# Altium PCB SPG_300.PcbDoc (part 2 of 7) (continued)
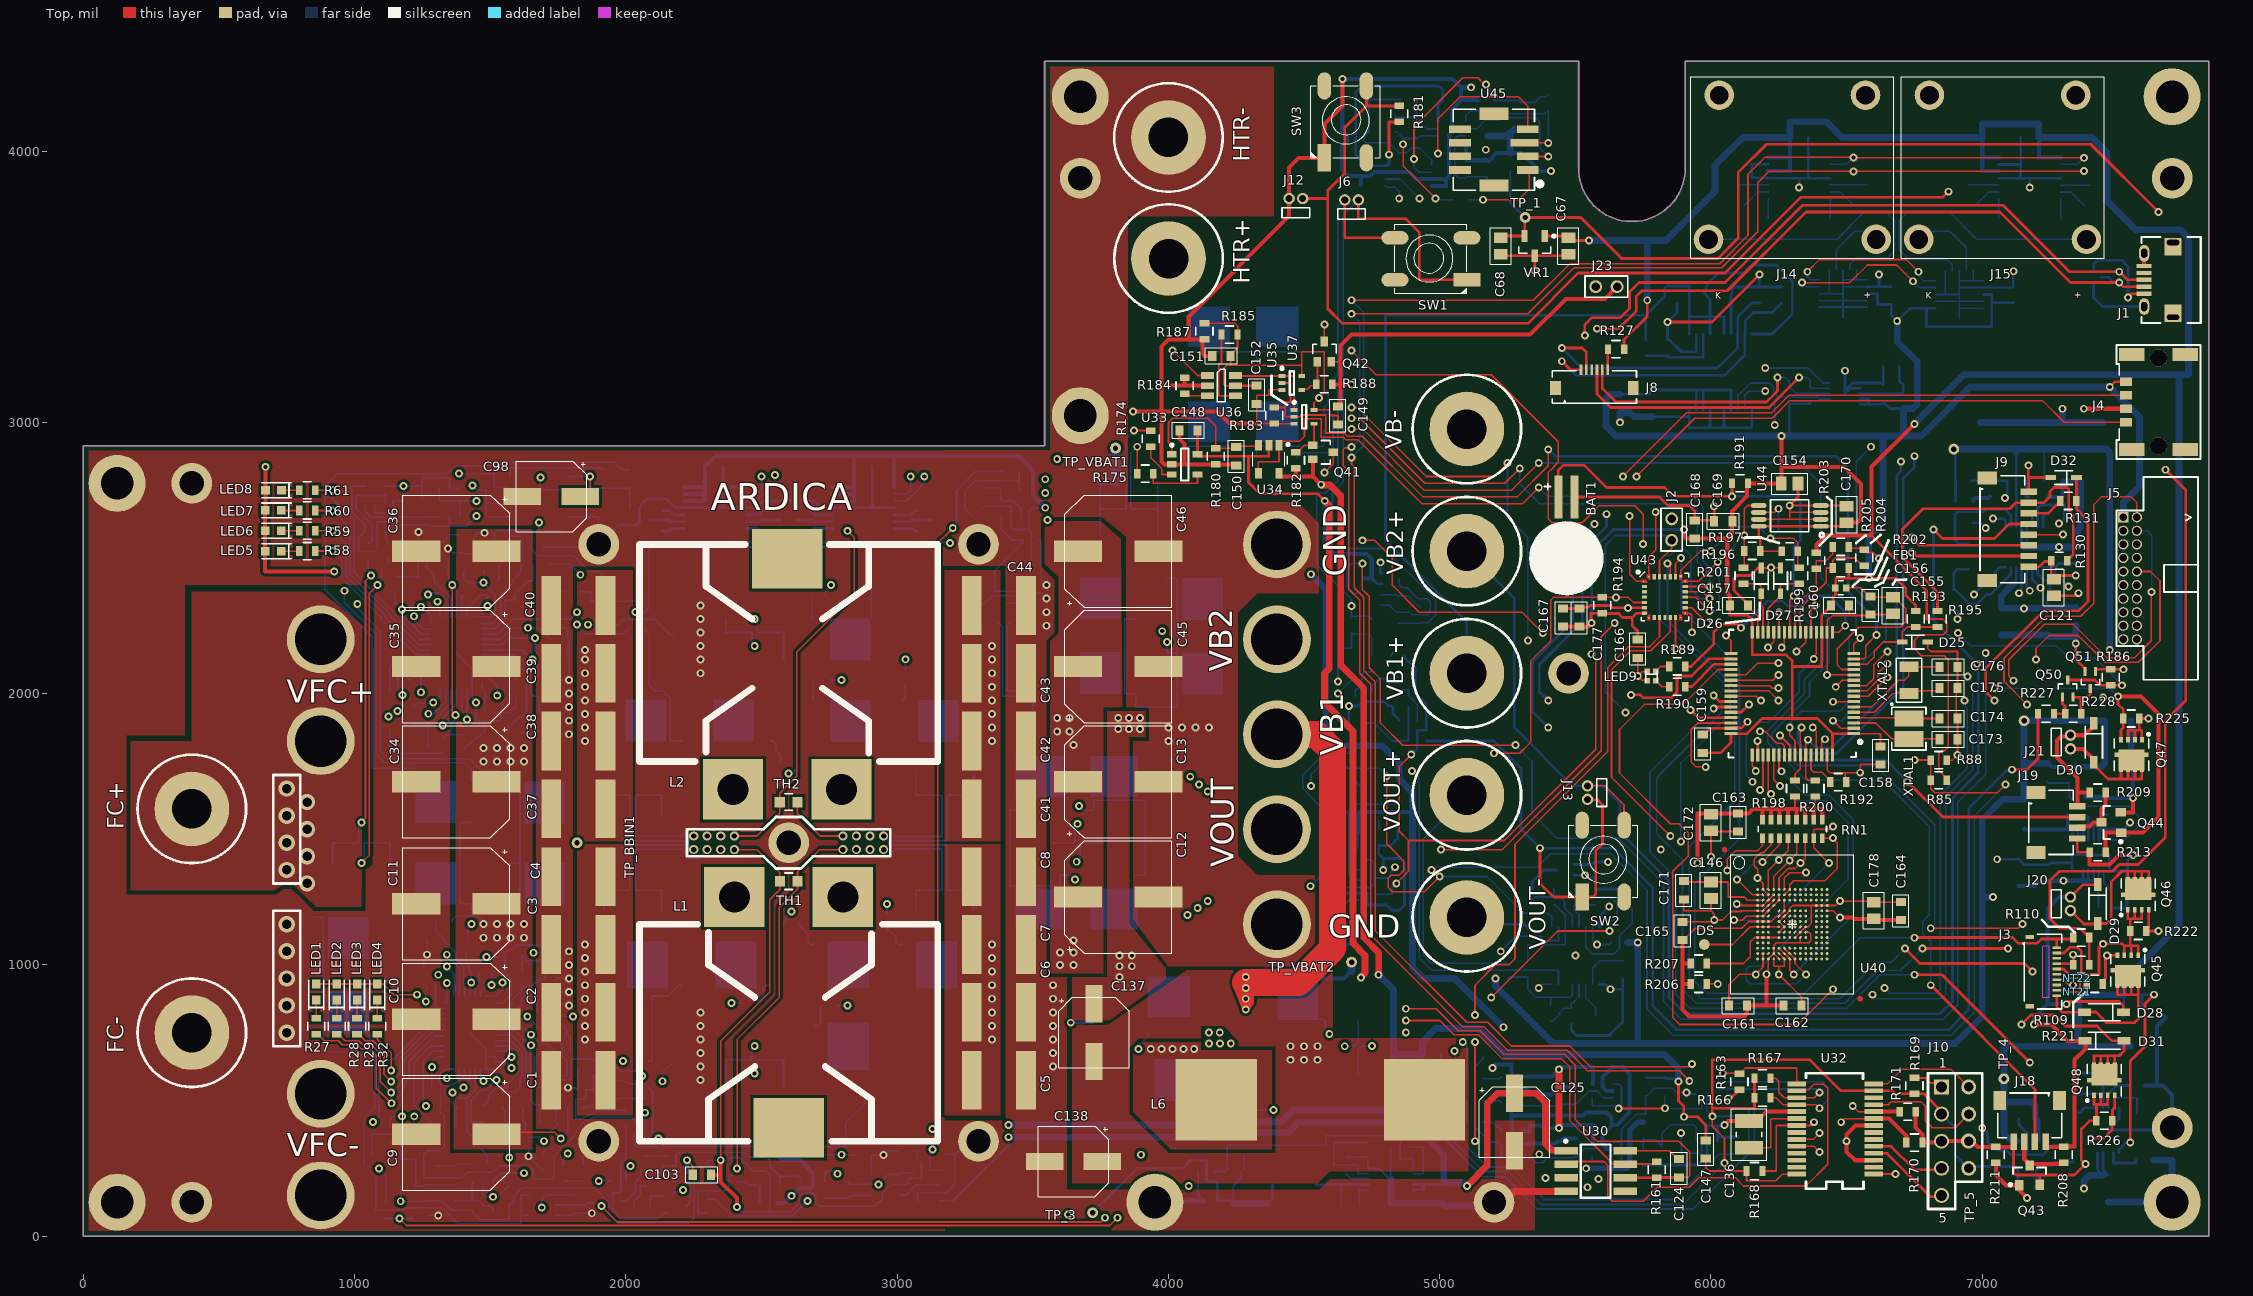
[diagram p0: Top view]
## Footprints (in the part's own frame and the unit in brackets; to place one, negate y for a bottom-side part, rotate by r counter-clockwise, add the part's x,y. Pads: shape width x height; smd on the part's side, far side on the other; paste and mask are expansions set on the pad) (continued)
  rect 0.6x1.55 smd: 1(-1.5,1.937) 2(-0.5,1.937) 3(0.5,1.937) 4(1.5,1.937)
  rect 1.2x1.8 smd: 5(-2.8,-1.937) 6(2.8,-1.937)
  silkscreen extent -3,-2.63 3,1.55, body extent -3,-2.64 3,2.31, height 2.96
"CONN Rect 8Pos 1.0mm Side Entry SMT" [mm] "JST SH SM08B-SRSS-TB"
  rect 0.6x1.55 smd: 1(-3.5,1.937) 2(-2.5,1.937) 3(-1.5,1.937) 4(-0.5,1.937) 5(0.5,1.937) 6(1.5,1.937) 7(2.5,1.937) 8(3.5,1.937)
  rect 1.2x1.8 smd: 9(4.8,-1.937) 10(-4.8,-1.937)
  silkscreen extent -5,-2.63 5,1.55, body extent -5,-2.65 5,2.3, height 2.96
"CONN USB micro Type AB RA SMD W/hold down  FCI 10118194" [mm] "Conn USB micro Type AB Right Angle SMD FCI 10118194"
  rect 0.4x1.4 smd mask+0.065: 1(-1.3,1.35) 2(-0.65,1.35) 3(0,1.35) 4(0.65,1.35) 5(1.3,1.35)
  oval 1.55x0.95 hole 0.55 slot 0.85 at 0 deg paste-4 mask-4: 6(-2.5,1.35) 7(2.5,1.35)
  rect 1.645x1.55 smd: 8(3.122,-1.35) 9(-3.122,-1.35)
  oval 0.5x1.15 hole 0.5 slot 1.15 at 90 deg paste-4 mask-4: 8(3.5,-1.35) 9(-3.5,-1.35)
  silkscreen extent -4.03,-3.95 4.03,1.6, body extent -4.02,-4.03 4.02,1.55, height 2.68
CTS-TF32L [mm] "CTS Crystal TF32 Series 3.2 x 1.5 h=0.8mm"
  rect 1x1.8 smd: 1(-1.25,0) 2(1.25,0)
  silkscreen extent -2.07,-1.2 2.07,1.2, body extent -1.6,-0.75 1.6,0.75, height 0.8
DFN3x3-8EP_N [mm] "DFN3x3 h=0.9mm, 8 Lead, Pitch 0.65mm Exposed Pad"
  rect 0.6x0.4 smd: D1(1.35,-0.975) D2(1.35,-0.325) D3(1.35,0.325) D4(1.35,0.975)
  rect 0.43x0.76 smd: D4(0,1.225) D4(0,-1.225)
  rect 2x2.45 smd: D4(0.51,0)
  rect 0.5x0.35 smd: G(-1.4,-0.975) S1(-1.4,0.975) S2(-1.4,0.325) S3(-1.4,-0.325)
  silkscreen extent -2,-1.6 1.5,1.7, body extent -1.43,-1.62 1.57,1.38, height 0.9
"DFN10-EP - LTC" [mm] "LTC DFN10 w/EP Body 3.0x3.0mm Pitch .5 Height: .75mm"
  rect 0.675x0.25 smd mask+0.05: 1(-1.412,1) 2(-1.412,0.5) 3(-1.412,0) 4(-1.412,-0.5) 5(-1.412,-1) 6(1.412,-1) 7(1.412,-0.5) 8(1.412,0) 9(1.412,0.5) 10(1.412,1)
  rect 1.65x2.38 smd paste-1 mask+0.05: 11(0,0)
  silkscreen extent -2.25,-1.63 1.88,1.63, body extent -1.5,-1.5 1.5,1.5, height 1
DFN16-EP [mm] "LTC Ref DWG#05-08-1707"
  rect 0.7x0.25 smd paste-0.2: 1(-1.9,1.75) 2(-1.9,1.25) 3(-1.9,0.75) 4(-1.9,0.25) 5(-1.9,-0.25) 6(-1.9,-0.75) 7(-1.9,-1.25) 8(-1.9,-1.75) 9(1.9,-1.75) 10(1.9,-1.25) 11(1.9,-0.75) 12(1.9,-0.25) 13(1.9,0.25) 14(1.9,0.75) 15(1.9,1.25) 16(1.9,1.75)
  rrect25% 2.44x4.34 smd paste-0.2: 17(0,0)
  silkscreen extent -2.42,2.17 -2.18,2.42, body extent -2,-2.5 2,2.5, height 0.75
DFN1410-6 [mm]
  rect 0.525x0.25 smd mask+0.05: 1(-0.363,0.5) 2(-0.363,0) 3(-0.363,-0.5) 4(0.363,-0.5) 5(0.363,0) 6(0.363,0.5)
  silkscreen extent -1.1,-0.84 0.82,0.86, body extent -0.5,-0.7 0.5,0.7, height 0.4
DO214AB-SMC [mm] "DO214AB (SMC)  7.11mm x 6.22mm x 2.45mm Diode"
  rect 1.52x3.2 smd: A(3.5,0)
  rect 1.52x3.21 smd: C(-3.5,0)
  silkscreen extent -3.55,-3.13 3.55,3.08, body extent -4.05,-3.13 4,3.12, height 2.94
DO214AC-SMA [mm] "DO214AC (SMA)  4.5mm x 2.8mm x 2.3mm Diode"
  rect 1.52x1.68 smd: A(1.7,0) C(-1.7,0)
  silkscreen extent -2.25,-1.4 2.25,1.4, body extent -2.25,-1.4 2.25,1.4, height 2.3
DO214AD-SMB [mm] "DO214AC (SMA)  4.5mm x 3.95mm x 2.45mm Diode"
  rect 1.62x2.18 smd: A(2.11,0) C(-2.11,0)
  silkscreen extent -2.25,-1.4 2.25,1.4, body extent -2.79,-1.97 2.79,1.97, height 2.65
"FB 0402 (1005 Metric)_L" [mm] "Ferrite Bead , Body 1.0x0.5mm, Height 0.5mm, IPC High Density"
  rect 0.6x0.65 smd mask+0.07: 1(-0.5,0) 2(0.5,0)
  silkscreen extent -0.25,-0.65 0.25,0.65, body extent -0.5,-0.25 0.5,0.25, height 0.5
"FDK ML621 Battery" [mm] "Panasonic Battery - Lithium Magnanese 3V 5.8mAh Coin 6.8 x 2.1 w/SMD Tabs"
  rect 0.75x4 smd: MINUS(-0.75,-5.75) PLUS(0.75,-5.75)
  silkscreen extent -3.4,-7.02 3.4,3.4, body extent -3.45,-3.37 3.35,3.43, height 2.1
"ICSP1451 Top Barb" [mm] "Measurement Specialities Pressure Sensor"
  rect 2.02x0.71 smd: 1(-3.18,1.905) 2(-3.18,0.635) 4(-3.18,-1.905) 5(3.18,-1.905) 6(3.18,-0.635) 7(3.18,0.635) 8(3.18,1.905)
  rect 2.65x0.71 smd: 3(-2.865,-0.635)
  rect 2.74x1.14 smd: 9(0,3.36) 10(0,-3.36)
  round 0.7 hole 0.4: 11(0.76,0)
  silkscreen extent -4.6,-3.8 3.8,3.8, body extent -3.83,-3.83 3.79,3.79, height 9.14
IND-MDWK4040 [mm] "Inductor, MDWK4040 Body 4.0X4.0mm, Height  1.0mm"
  rect 1.2x3.7 smd: 1(-1.4,0) 2(1.4,0)
  silkscreen extent -2.25,-2.25 2.25,2.25, body extent -2,-2 2,2, height 1
IND-MSS6132-B [mm] "Coilcraft 6132Pkg Inductor 6.0 x 6.0 H=3.0mm"
  rect 5.5x1.6 smd: 1(0,2) 2(0,-2.064)
  Top region: -2.7,1.2
  silkscreen extent -3.17,-3.18 3.18,3.18, body extent -2.8,-2.8 2.8,2.8, height 2.85
IND-XEL4030 [mm] "Coilcraft XEL4030 4.0x4.0"
  rect 3.4x0.98 smd mask+0.05: 1(0,1.185) 2(0,-1.185)
  silkscreen extent -2.1,-2.1 2.1,2.1, body extent -2,-2 2,2, height 3.1
LED0603 [mm] "SingleLED EIA0603 Case"
  rect 0.8x0.8 smd: A(0,0.75) C(0,-0.75)
  silkscreen extent -0.7,-1.68 0.7,1.07, body extent -0.4,-0.8 0.4,0.8, height 0.8
LQFP64P [mm] "QFN, 64-Leads, ST Micro - Body 7.5 x 7.5mm, Pitch 0.5mm, IPC Low Density"
  rect 1.2x0.3 smd mask+0.05: 1(-5.75,3.75) 2(-5.75,3.25) 3(-5.75,2.75) 4(-5.75,2.25) 5(-5.75,1.75) 6(-5.75,1.25) 7(-5.75,0.75) 8(-5.75,0.25) 9(-5.75,-0.25) 10(-5.75,-0.75) 11(-5.75,-1.25) 12(-5.75,-1.75) 13(-5.75,-2.25) 14(-5.75,-2.75) 15(-5.75,-3.25) 16(-5.75,-3.75) 33(5.75,-3.75) 34(5.75,-3.25) 35(5.75,-2.75) 36(5.75,-2.25) 37(5.75,-1.75) 38(5.75,-1.25) 39(5.75,-0.75) 40(5.75,-0.25) 41(5.75,0.25) 42(5.75,0.75) 43(5.75,1.25) 44(5.75,1.75) 45(5.75,2.25) 46(5.75,2.75) 47(5.75,3.25) 48(5.75,3.75)
  rect 0.3x1.2 smd mask+0.05: 17(-3.75,-5.75) 18(-3.25,-5.75) 19(-2.75,-5.75) 20(-2.25,-5.75) 21(-1.75,-5.75) 22(-1.25,-5.75) 23(-0.75,-5.75) 24(-0.25,-5.75) 25(0.25,-5.75) 26(0.75,-5.75) 27(1.25,-5.75) 28(1.75,-5.75) 29(2.25,-5.75) 30(2.75,-5.75) 31(3.25,-5.75) 32(3.75,-5.75) 49(3.75,5.75) 50(3.25,5.75) 51(2.75,5.75) 52(2.25,5.75) 53(1.75,5.75) 54(1.25,5.75) 55(0.75,5.75) 56(0.25,5.75) 57(-0.25,5.75) 58(-0.75,5.75) 59(-1.25,5.75) 60(-1.75,5.75) 61(-2.25,5.75) 62(-2.75,5.75) 63(-3.25,5.75) 64(-3.75,5.75)
  silkscreen extent -6.53,-5.98 5.98,6, body extent -5.75,-5.75 5.75,5.75, height 1.6
MQFN20-EP [mm] "Microchip VQFN20 Exposed Pad"
  rect 0.55x0.4 smd mask+0.05: 1(-2.25,1.3) 2(-2.25,0.65) 3(-2.25,0) 4(-2.25,-0.65) 5(-2.25,-1.3) 11(2.25,-1.3) 12(2.25,-0.65) 13(2.25,0) 14(2.25,0.65) 15(2.25,1.3)
  rect 0.4x0.55 smd mask+0.05: 6(-1.3,-2.25) 7(-0.65,-2.25) 8(0,-2.25) 9(0.65,-2.25) 10(1.3,-2.25) 16(1.3,2.25) 17(0.65,2.25) 18(0,2.25) 19(-0.65,2.25) 20(-1.3,2.25)
  rect 3.35x3.35 smd mask+0.05: 21(0,0)
  silkscreen extent -3.04,-2.6 2.6,2.6, body extent -2.5,-2.5 2.5,2.5, height 1
MSOP10-EP [mm] "LTC MSop 10 w/Exposed Pad. Pitch 0.5 Height 1.1mm"
  rect 0.889x0.305 smd mask+0.065: 1(-2.105,1) 2(-2.105,0.5) 3(-2.105,0) 4(-2.105,-0.5) 5(-2.105,-1) 6(2.105,-1) 7(2.105,-0.5) 8(2.105,0) 9(2.105,0.5) 10(2.105,1)
  rect 1.88x1.68 smd: 11(0,0)
  silkscreen extent -2.54,-1.5 1.5,1.64, body extent -1.5,-1.5 1.5,1.5, height 1.1
NET_TIE_5mil [mil] "Tie two nets together - 5 mils wide"
  round 5 smd paste-39.37 mask-39.37: 1(-10,0) 2(10,0)
  Top lines w6: 10.16,0 -10,0
NX3225 [mm] "NDK Crystal 3.2 x 2.5 height: 1mm"
  rect 1.5x2.7 smd mask+0.05: 1(-0.95,0) 2(0.95,0)
  silkscreen extent -2.4,-1.7 2,1.6, body extent -1.6,-1.25 1.6,1.25, height 1
Power56_L#1 [mm] "Farichild Power 56 (5 x 6) h=1.10mm, 8 Lead, Pitch 1.27mm Exposed Pad"
  rect 1.27x0.61 smd: D1(2.67,-1.905) D2(2.67,-0.635) D3(2.67,0.635) D4(2.67,1.905) G(-2.67,-1.905) S1(-2.67,1.905) S2(-2.67,0.635) S3(-2.67,-0.635)
  Top region: -1.397,2.21 -1.397,-2.21 2.4,-2.21 2.4,2.21
  Top lines w0.254: 1.524,-1.905 2.286,-1.905
  silkscreen extent -3.7,-2.55 3,2.77, body extent -3,-2.5 3,2.5, height 1.1
Power56_L#2 [mm] "Farichild Power 56 (5 x 6) h=1.10mm, 8 Lead, Pitch 1.27mm Exposed Pad"
  rect 1.27x0.61 smd: D1(2.67,-1.905) D2(2.67,-0.635) D3(2.67,0.635) D4(2.67,1.905) G(-2.67,-1.905) S1(-2.67,1.905) S2(-2.67,0.635) S3(-2.67,-0.635)
  Top region: -1.2,1.975 -1.2,-1.925 2.55,-1.925 2.55,1.975
  silkscreen extent -3.7,-2.55 3,2.77, body extent -3,-2.5 3,2.5, height 1.1
"QFN24-EP-LTC UDD" [mm] "LTC QFN24 Exposed Pad. Pitch 0.5, Height 0.75mm"
  rect 0.7x0.25 smd mask+0.05: 1(-1.5,1.7) 2(-1.4,1.2) 3(-1.4,0.7) 4(-1.4,0.25) 5(-1.4,-0.25) 6(-1.4,-0.75) 7(-1.4,-1.25) 8(-1.4,-1.75) 13(1.4,-1.75) 14(1.4,-1.25) 15(1.4,-0.75) 16(1.4,-0.25) 17(1.4,0.25) 18(1.4,0.75) 19(1.4,1.25) 20(1.4,1.75)
  rect 0.25x0.7 smd mask+0.05: 9(-0.75,-2.4) 10(-0.25,-2.4) 11(0.25,-2.4) 12(0.75,-2.4) 21(0.75,2.4) 22(0.25,2.4) 23(-0.25,2.4) 24(-0.75,2.4)
  rect 1.65x3.65 smd mask+0.05: 25(0,0)
  silkscreen extent -2.02,-2.6 1.6,2.68, body extent -1.5,-2.5 1.5,2.5, height 0.75
QFN38 [mm] "LTC DWG #05-08-1701 Rev C"
  rect 0.25x0.7 smd: 1(2.75,2.4) 2(2.25,2.4) 3(1.75,2.4) 4(1.25,2.4) 5(0.75,2.4) 6(0.25,2.4) 7(-0.25,2.4) 8(-0.75,2.4) 9(-1.25,2.4) 10(-1.75,2.4) 11(-2.25,2.4) 12(-2.75,2.4) 20(-2.75,-2.4) 21(-2.25,-2.4) 22(-1.75,-2.4) 23(-1.25,-2.4) 24(-0.75,-2.4) 25(-0.25,-2.4) 26(0.25,-2.4) 27(0.75,-2.4) 28(1.25,-2.4) 29(1.75,-2.4) 30(2.25,-2.4) 31(2.75,-2.4)
  rect 0.7x0.25 smd: 13(-3.4,1.5) 14(-3.4,1) 15(-3.4,0.5) 16(-3.4,0) 17(-3.4,-0.5) 18(-3.4,-1) 19(-3.4,-1.5) 32(3.4,-1.5) 33(3.4,-1) 34(3.4,-0.5) 35(3.4,0) 36(3.4,0.5) 37(3.4,1) 38(3.4,1.5)
  rect 5.15x3.15 smd: 39(0,0)
  silkscreen extent -4,-3 4.22,3.22, body extent -3.5,-2.5 3.5,2.5, height 0.75
QSOP16 [mm] "Analog Devices Pitch 0.64"
  rect 1.55x0.4 smd: 1(-2.7,2.24) 2(-2.7,1.6) 3(-2.7,0.96) 4(-2.7,0.32) 5(-2.7,-0.32) 6(-2.7,-0.96) 7(-2.7,-1.6) 8(-2.7,-2.24) 9(2.7,-2.24) 10(2.7,-1.6) 11(2.7,-0.96) 12(2.7,-0.32) 13(2.7,0.32) 14(2.7,0.96) 15(2.7,1.6) 16(2.7,2.24)
  silkscreen extent -3.4,-2.5 1.68,3.25, body extent -1.78,-2.54 1.78,2.54, height 1.27
"RESC 0603 (1608 Metric)_N" [mm] "Chip Resistor, Body 1.6x0.8mm, Height 0.45mm, IPC Medium Density"
  rect 0.95x1 smd: 1(-0.825,0) 2(0.825,0)
  silkscreen extent -0.38,-0.77 0.38,0.77, body extent -0.8,-0.4 0.8,0.4, height 0.45
"RESN 742 h=.35" [mm] "Resistor Network , 8 Res Body 6.4x1.6mm"
  rect 0.9x0.45 smd mask+0.05: 1(-0.85,2.8) 2(-0.85,2) 3(-0.85,1.2) 4(-0.85,0.4) 5(-0.85,-0.4) 6(-0.85,-1.2) 7(-0.85,-2) 8(-0.85,-2.8) 9(0.85,-2.8) 10(0.85,-2) 11(0.85,-1.2) 12(0.85,-0.4) 13(0.85,0.4) 14(0.85,1.2) 15(0.85,2) 16(0.85,2.8)
  silkscreen extent -0.25,-3.2 0.25,3.2, body extent -0.8,-3.2 0.8,3.2, height 0.53
SC70-5 [mm] "SOT23, 3-Leads, Body 1.8x1.35mm, Pitch 0.65mm, IPC High Density"
  rect 0.5x0.4 smd mask+0.05: 1(-0.95,0.65) 2(-0.95,0) 3(-0.95,-0.65) 4(0.95,-0.65) 5(0.95,0.65)
  silkscreen extent -1.9,-1.12 1.45,1.12, body extent -1.15,-1.1 1.25,1.1, height 1.1
SER29XX-H [mil]
  rect 222.7x222.7 / inner rect 60x60 / far side rect 222.7x222.7 hole 115: 1(-200,-500) 2(200,-500)
  rect 260x220 smd: 3(0,350)
  body extent -423,-482 423,344, height 526
SMC [mil]
  rect 110.24x149.61 smd: A(137.5,0) C(-137.5,0)
  silkscreen extent -142,-122 142,122, body extent -140,-110 140,110, height 100
"SMD 0603 (1608 Metric)" [mm] "Chip Resistor, Body 1.6x0.8mm, Height 0.6mm"
  rect 0.6x0.9 smd: 1(-0.75,0) 2(0.75,0)
  silkscreen extent -0.38,-0.8 0.38,0.8, body extent -0.8,-0.4 0.8,0.4, height 0.45
"SMD 2010 (5025 Metric)" [mm] "SMD 2010, Body 5.00x2.50mm"
  rect 0.9x2.8 smd: 1(-2.35,0) 2(2.35,0)
  silkscreen extent -1.24,-1.62 1.28,1.59, body extent -2.6,-1.35 2.6,1.35, height 0.6
"SMD 2512 (6332 Metric)" [mm] "SMD 2512, Body 6.30x3.20mm"
  rect 1.6x3.5 smd: 1(-2.7,0) 2(2.7,0)
  silkscreen extent -2.02,-2.02 1.99,2.08, body extent -3.15,-1.55 3.15,1.55, height 0.55
SML-P24 [mm] "Pico LED-Duo"
  rect 0.5x0.5 smd mask+0.05: AL(-0.45,0.4) AS(0.45,0.4) CL(-0.45,-0.4) CS(0.45,-0.4)
  silkscreen extent -0.5,-0.55 0.58,0.55, body extent -0.5,-0.5 0.5,0.5, height 0.2
SOD-123-H1.45L [mm] "SOD-123 2.75 x 1.7 Height = 1.45mm"
  rect 1.2x0.7 smd: A(1.85,0) C(-1.8,0)
  silkscreen extent -1.5,-0.8 1.5,0.8, body extent -1.4,-0.83 1.43,0.85, height 1.35
SOD-123N [mm] "SOD-123 2.8 x 1.7 Height = 1.35mm"
  rect 1x0.75 smd: A(1.8,0) C(-1.8,0)
  silkscreen extent -1.5,-0.8 1.5,0.8, body extent -1.43,-0.85 1.43,0.85, height 1.35
SOD-323 [mm] "SOD-323 Height 1.0mm"
  rect 1x0.5 smd: A(1.2,0) C(-1.2,0)
  silkscreen extent -0.85,-0.65 0.85,0.65, body extent -0.9,-0.67 0.9,0.67, height 1
SOD-523L [mm] "SOD-523 Height 0.7mm"
  rect 0.57x0.42 smd: A(0.79,0) C(-0.79,0)
  silkscreen extent -0.5,-0.55 0.58,0.55, body extent -0.65,-0.45 0.65,0.45, height 0.7
SOIC-8 [mm] "SOIC, 8-Leads, B4.0x5.0mm (max), Pitch 1.27mm, IPC Medium Density"
  rect 2.2x0.7 smd: 1(-2.75,1.905) 2(-2.75,0.635) 3(-2.75,-0.635) 4(-2.75,-1.905) 5(2.75,-1.905) 6(2.75,-0.635) 7(2.75,0.635) 8(2.75,1.905)
  silkscreen extent -2.93,-2.5 1.4,2.92, body extent -6.4,-2.5 2,2.5, height 1.63
SOT23-3 [mm] "SOT23-3 IR Micro3, Body 2.9x1.4mm, Pitch 0.95mm"
  rect 0.97x0.8 smd: 1(-0.95,0.95) 2(-0.9,-0.95) 3(0.9,0)
  silkscreen extent -1.02,-1.55 0.7,1.92, body extent -1.28,-1.5 1.27,1.5, height 1
SOT23-3L [mm] "SOT23, 3-Leads, Body 3.0x2.6mm (max), Pitch 0.95mm, IPC High Density"
  rect 1.15x0.6 smd: 1(-0.925,0.95) 2(-0.925,-0.95) 3(0.925,0)
  silkscreen extent -1.05,-1.5 0.7,1.92, body extent -1.28,-1.5 1.27,1.5, height 1
SOT23-5 [mm] "SOT23, 5-Leads, Body 2.9x1.6mm (max), Pitch 0.95mm"
  rect 1x0.66 smd: 1(-1.315,0.95) 2(-1.315,0) 3(-1.315,-0.95) 4(1.315,-0.985) 5(1.315,0.95)
  silkscreen extent -1.5,-1.5 0.65,1.92, body extent -0.8,-1.45 0.8,1.45, height 1.45
"SOT23-5L 3.0x1.5x145" [mm] "SOT23, 5-Leads, Body 3.0x3.0mm (max), Pitch 0.95mm, IPC High Density"
  rect 0.9x0.6 smd: 1(-1.2,0.95) 2(-1.2,0) 3(-1.2,-0.95) 4(1.2,-0.95) 5(1.2,0.95)
  silkscreen extent -1.32,-1.5 0.35,1.92, body extent -1.42,-1.46 1.42,1.46, height 1.06
SOT23-6N [mm] "SOT23, 6-Lead, Body 3.0L x1.75W x 1.1H, Pitch 0.95mm, IPC Medium Density"
  rect 1.1x0.5 smd: 1(-1.35,0.95) 2(-1.35,0) 3(-1.35,-0.95) 4(1.35,-0.95) 6(1.35,0.95)
  rect 1.1x0.5 smd mask+0.065: 5(1.35,0)
  silkscreen extent -1,-1.5 0.65,1.92, body extent -0.7,-1.5 0.7,1.5, height 1.1
SOT23-8-H1.45 [mm] "SOT23, 8-Leads, Body 3.0x1.75mm (max) x 1.45h, Pitch 0.65mm TI DCN"
  rect 1.1x0.45 smd mask+0.07: 1(-1.31,0.975) 2(-1.31,0.325) 3(-1.31,-0.325) 4(-1.31,-0.975) 5(1.31,-0.975) 6(1.31,-0.325) 7(1.31,0.325) 8(1.31,0.975)
  silkscreen extent -2.3,-1.53 1.8,1.6, body extent -0.9,-1.5 0.9,1.5, height 1.45
SOT26 [mm]
  rect 0.8x0.55 smd mask+0.05: 1(-1.2,0.95) 2(-1.2,0) 3(-1.2,-0.95) 4(1.2,-0.95) 5(1.2,0) 6(1.2,0.95)
  body extent -1,-1.5 1,1.5, height 1.2
SOT353-1-5L [mm] "NXP SOT353 5 Lead 0.65 pitch High Density"
  rect 0.65x0.35 smd: 1(-0.925,0.65) 2(-0.925,0) 3(-0.925,-0.65) 4(0.925,-0.65) 5(0.925,0.65)
  silkscreen extent -1.05,-1.1 0.2,1.5, body extent -0.67,-1.12 0.67,1.13, height 1.1
SOT-323 [mm] "SOT-323 (SC-70) Body 2.0 x 1.25 Height 1.1mm"
  rect 0.9x0.7 smd: 1(-0.95,0.65) 2(-0.95,-0.65) 3(0.95,0)
  silkscreen extent -0.18,-1.1 0.67,1.1, body extent -0.67,-1.1 0.67,1.1, height 1
SOT-523 [mm] "SOT-523 1.7 x .85 height = .0.9mm"
  rect 0.85x0.3 smd: 1(-0.8,0.5) 2(-0.8,-0.5) 3(0.8,0)
  silkscreen extent -0.05,-0.85 0.43,0.87, body extent -0.43,-0.85 0.43,0.85, height 0.9
SSOIC28 [mm]
  rect 1.75x0.45 smd mask+0.05: 1(-3.6,4.225) 2(-3.6,3.575) 3(-3.6,2.925) 4(-3.6,2.275) 5(-3.6,1.625) 6(-3.6,0.975) 7(-3.6,0.325) 8(-3.6,-0.325) 9(-3.6,-0.975) 10(-3.6,-1.625) 11(-3.6,-2.275) 12(-3.6,-2.925) 13(-3.6,-3.575) 14(-3.6,-4.225) 15(3.6,-4.225) 16(3.6,-3.575) 17(3.6,-2.925) 18(3.6,-2.275) 19(3.6,-1.625) 20(3.6,-0.975) 21(3.6,-0.325) 22(3.6,0.325) 23(3.6,0.975) 24(3.6,1.625) 25(3.6,2.275) 26(3.6,2.925) 27(3.6,3.575) 28(3.6,4.225)
  body extent -2.65,-5.1 2.65,5.1, height 2
SSOP-20 [mm] "SSOP, 20-Leads, Body 7.5mm x 8mm, Pitch 0.65mm"
  rect 1.9x0.35 smd: 1(-3.575,2.925) 2(-3.575,2.275) 3(-3.575,1.625) 4(-3.575,0.975) 5(-3.575,0.325) 6(-3.575,-0.325) 7(-3.575,-0.975) 8(-3.575,-1.625) 9(-3.575,-2.275) 10(-3.575,-2.925) 11(3.575,-2.925) 12(3.575,-2.275) 13(3.575,-1.625) 14(3.575,-0.975) 15(3.575,-0.325) 16(3.575,0.325) 17(3.575,0.975) 18(3.575,1.625) 19(3.575,2.275) 20(3.575,2.925)
  silkscreen extent -4.47,-3.72 2.35,3.77
SW-PB-SMD [mil]
  rect 100x50 smd: 1(0,0)
  oval 100x50 smd: 2(265,-155) 3(0,-155) 4(265,0)
  silkscreen extent 0,-205 265,50, body extent -28,-206 297,50, height 140
"Test Point 1mm"#1 [mil]
  round 40 hole 20 mask+1.97: 1(0,0)
"Test Point 1mm"#2 [mil]
  round 55 hole 35 mask+1.97: 1(0,0)
TFSSOP-10 [mm] "TI VSSOP10"
  rect 1.45x0.3 smd mask+0.05: 1(-2.2,1) 2(-2.2,0.5) 3(-2.2,0) 4(-2.2,-0.5) 5(-2.2,-1) 6(2.2,-1) 7(2.2,-0.5) 8(2.2,0) 9(2.2,0.5) 10(2.2,1)
  silkscreen extent -1.3,-1.6 1.3,1.7, body extent -1.5,-1.5 1.5,1.5, height 1.1
TP10R$1#1 [mm]
  rrect100% 1x1 smd paste+0: TP(0,0)
TP10R$1#2 [mm]
  rrect100% 1x1 smd paste+0 mask+0.051: TP(0,0)
TSOT6-H1.0 [mm] "LTC TSOT- 6   .95Pitch Hight=1.0mm"
  rect 1.22x0.62 smd mask+0.065: 1(-1.31,0.95) 2(-1.31,0) 3(-1.31,-0.95) 4(1.31,-0.95) 5(1.31,0) 6(1.31,0.95)
  silkscreen extent -0.38,-1.5 0.38,1.53, body extent -0.7,-1.5 0.7,1.5, height 1
TSSOP-8 [mm] "TSSOP-8  3..7 X 3.8 X 1.1 e=0.65"
  oval 1.45x0.45 smd: 1(-2.9,0.975) 2(-2.9,0.325) 3(-2.9,-0.325) 4(-2.9,-0.975) 5(2.9,-0.975) 6(2.9,-0.325) 7(2.9,0.325) 8(2.9,0.975)
  silkscreen extent -3.2,-1.5 1.8,2, body extent -1.85,-1.5 1.85,1.5, height 1.1
TSSOP-14 [mm] "14 Pin TSSOP 0.65mm Pitch height = 1.2mm"
  rect 1.26x0.36 smd: 1(-2.9,1.95) 2(-2.9,1.3) 3(-2.9,0.65) 4(-2.9,0) 5(-2.9,-0.65) 6(-2.9,-1.3) 7(-2.9,-1.95) 8(2.9,-1.95) 9(2.9,-1.3) 10(2.9,-0.65) 11(2.9,0) 12(2.9,0.65) 13(2.9,1.3) 14(2.9,1.95)
  silkscreen extent -2.15,-2.5 1.95,2.82, body extent -2.25,-2.5 2.25,2.5, height 1.42
"UFQFPN28 - ST Micro" [mm] "UFQFPN28 Body 5x5mm (max), Pitch 0.5mm, S0T Micro Package"
  rect 0.127x0.127 smd mask+0.05: 1(-2.007,1.499) 14(1.5,-1.9) 15(1.9,-1.5) 21(1.9,1.5) 28(-1.5,1.9)
  rect 0.5x0.3 smd mask+0.05: 2(-1.9,1) 3(-1.9,0.5) 4(-1.9,0) 5(-1.9,-0.5) 6(-1.9,-1) 16(1.9,-1) 17(1.9,-0.5) 18(1.9,0) 19(1.9,0.5) 20(1.9,1)
  rect 0.381x0.298 smd mask+0: 7(-1.956,-1.5)
  rect 0.152x0.152 smd rot 45 mask+0: 7(-1.765,-1.539)
  rect 0.127x0.191 smd mask+0: 7(-1.722,-1.448)
  rect 0.127x0.127 smd mask+0: 8(-1.5,-1.925)
  rect 0.3x0.5 smd mask+0.05: 9(-1,-1.9) 10(-0.5,-1.9) 11(0,-1.9) 12(0.5,-1.9) 13(1,-1.9) 23(1,1.9) 24(0.5,1.9) 25(0,1.9) 26(-0.5,1.9) 27(-1,1.9)
  rect 0.254x0.254 smd mask+0.05: 22(1.499,1.956)
  Top region: -1.675,2.15 -1.675,1.802 -1.523,1.65 -1.375,1.65 -1.375,2.15
  Top region: 1.35,2.15 1.35,1.65 1.523,1.65 1.65,1.777 1.65,2.15
  Top region: 2.15,1.35 1.65,1.35 1.65,1.523 1.777,1.65 2.15,1.65
  Top region: 2.15,-1.65 2.15,-1.35 1.65,-1.35 1.65,-1.523 1.777,-1.65
  Top region: 1.35,-2.15 1.65,-2.15 1.65,-1.777 1.523,-1.65 1.35,-1.65
  Top region: -2.15,1.65 -2.15,1.35 -1.65,1.35 -1.65,1.497 -1.802,1.65
  Top region: -1.35,-1.65 -1.35,-2.15 -1.65,-2.15 -1.65,-1.792 -1.508,-1.65
  Top region: -2.15,-1.35 -1.656,-1.35 -1.656,-1.539 -1.767,-1.65 -2.15,-1.65
  silkscreen extent -2.62,-2.23 2.25,2.47, body extent -2,-2 2,2, height 0.6
"uMAX 8" [mm] "MAX uMax 8 3.0 x 3.0 Max 90-0092 Pitch 0.65 Height 1.1mm"
  rect 1.35x0.4 smd mask+0.065: 1(-2.15,0.975) 2(-2.15,0.325) 3(-2.15,-0.325) 4(-2.15,-0.975) 5(2.15,-0.975) 6(2.15,-0.325) 7(2.15,0.325) 8(2.15,0.975)
  silkscreen extent -2.42,-1.5 1.3,2.32, body extent -1.5,-1.5 1.5,1.5, height 1.1
WURTH-875X875 [mil]
  rect 300x300 smd: 1(-384.06,0) 2(384.06,0)
  body extent -425,-425 425,425, height 500

## Part data
BAT1: "Generic Single Cell Battery", Note=Hand-Solder
C1 C2 C3 C4 C5 C6 C7 C8 C37 C38 C39 C40 C41 C42 C43 C44: Package=2220
C9 C10 C11 C12 C13 C34 C35 C36 C45 C46: "Aluminum Electroytic 10 x 10 x 10mm"
C14 C16: "SMD 0805 (2012 Metric)", Package=0805
C15 C17 C18 C19 C21 C22 C26 C27 C30 C31 C32 C47 C49 C51 C52 C54 C55 C59 C63 C64 C65 C66 C69 C72 C74 C76 C78 C79 C83 C84 C85 C95 C96 C99 C101 C103 C104 C105 C108 C110 C111 C113 C114 C115 C117 C118 C120 C122 C123 C124 C126 C127 C128 C129 C130 C131 C132 C133 C134 C135 C140 C141 C142 C143 C144 C145 C147 C148 C149 C150 C151 C152 C156 C157 C158 C159 C160 C161 C162 C163 C164 C165 C166 C167 C168 C169 C171 C173 C174 C175 C176 C177 C181 C182 C183 C184 C185 C186 C187 C188: "SMD 0603 (1608 Metric)", Package=0603
C20 C23 C24 C25 C28 C29 C48 C50 C53 C56 C57 C58 C61 C62 C67 C68 C73 C77 C82 C94 C97 C100 C112 C116 C121 C139 C146 C153 C154 C155 C170 C172 C178 C189: "SMD 0805 (2012 Metric(", Package=0805
C33: "SMD 1206 (3216 Metric)", Package=1206
C60 C70 C71 C75 C80 C81 C86 C87 C88 C89 C90 C91 C92 C93 C102 C119 C136 C179 C180: "SMD 1210 (3225 Metric)", Package=1210
C98 C125 C137 C138: "Aluminum Electrolytic Case D8 - 6.3 x 7.7", Package="CASE D8"
C106 C107 C109: library part "CAP SMD 0805 H=1.25mm", "SMD 0805 (2012 Metric(", Package=0603
CLK DS: library part TEST_POINT, Package=TP10R$1, DeviceName=TP10R, DeviceSetName=TP, GateName_1=P, LibraryName=DualBankCharger-05AD, SymbolName_1=TP@1
D1 D2 D3 D4 D7 D8 D9 D10: "Diode DO214AA (SMB)", Case=SMB
D5 D6: "SYM-Schottky Diode", Case=SOT123F
D11 D12: "SYM-Schottky Diode", Case=SOD123F
D13 D17 D18: "SYM-Schottky Diode"
D14 D15 D20: "SYM - Diode, Schottky Dual Common Cathode", Case-EIA=SOT-323, Technology=SMT
D16 D22 D23: "SYM-Schottky Diode", Case=SMC
D19 D21 D25 D27: "SYM-Zener Diode"
  D27: Packsge=SOD-323
D24: "SYM-Schottky Diode", Case="DO214AC SMA"
D26: "SYM-Zener Diode", Package=SOD-323
D28 D29 D30 D31: "SYM-Schottky Diode", Case=SOD-123
D32: library part Diode, "SYM-Schottky Diode"
FC+ FC- HTR+ HTR- VB1+ VB2+ VB- VOUT+ VOUT-: library part "Power Connector", "Wurth Power Connector 7466003", Name=Amphenol
I1: "Inductor", Manuf=MDWK040t4R7MM, Rule=Undefined, Technology=SMT
J1: library part "CONN USB 1.0 Type AB Recpt SMB_1", "USB Micro B Verticle SMD"
J2: library part "CONN 2x1 Pos", "Conn 2x1 Pos"
J3: "Conn 10 Pos", Name=Omron
J4 J19: "Conn 4x1 Pos"
J5: "Hdr 2x10 Pos", Name=CNC-Tech
J6 J12 J14 J15 J20 J21: "Conn 2x1 Pos"
  J14 J15: Name=Omega
J8: library part "Molex 0874370643", "Molex Pico-Spox 6 Pos 1.5mm"
J9: library part "Molex 0874370843", "Molex Pico-Spox 8 Pos 1.5mm", Name="JST 1MM"
J10: "Conn 5 x 1"
J13: library part "Molex 0874370273", "Molex Pico-Spox 2 Pos 1.5mm"
J18: library part "Molex 0874370443", "Molex Pico-Spox 4 Pos 1.5mm"
J23: "2Pin 2mm Jumper"
L1 L2: Package=SER29XX-H, DeviceName="Wurth 7443641500", DeviceSetName=IND, GateName_1=G$1, LibraryName=DualBankCharger-05AD, Note=Hand-Solder, SymbolName_1=L-US
L3 L4: "INDUCTOR COILCRAFT 6132", Package="MSS 6132"
L5: "Coilcraft XEL4030", Package=XEL4030
L6: library part IND-74435584700, "Wurth 74435584700 47uH 5A", Package=WURTH-875X875, DeviceName=W, DeviceSetName=IND, GateName_1=G$1, LibraryName=DualBankCharger-05AD, Note=Hand-Solder, SymbolName_1=L-US
LED1 LED2 LED3 LED4 LED5 LED6 LED7 LED8: "Generic Single LED"
LED9: "Generic Dual LED"
NT1 NT2 NT3 NT4 NT5 NT6 NT7 NT8 NT9 NT10 NT11 NT12 NT13 NT14 NT15 NT16 NT17 NT18 NT19 NT20 NT21 NT22: library part NET_TIE, "Tie 2 nets together - 0.2032mm", Rule="Component Clearance Constraint [Horizontal Clearance = 0mm    Vertical Clearance = 0mm]"
P0A P0B P0W P1A P1B P1W P2A P2B P2W P3A P3B P3W P4A P4B P4W P5A P5B P5W P6A P6B P6W P7A P7B P7W: library part TPTP10R, Package=TP10R$1, DeviceName=TP10R, DeviceSetName=TP, GateName_1=P, LibraryName=DualBankCharger-05AD, SymbolName_1=TP@1
Q1 Q2 Q3 Q4 Q5 Q7 Q8 Q9 Q10 Q11 Q21 Q22 Q23 Q24 Q25 Q26 Q35 Q36: library part MOSFET-N8, "SYM - Mosfet N-Ch 8 Lead"
Q6 Q12 Q31 Q32 Q34 Q49 Q50 Q51: library part MOSFET-N3, "SYM - Mosfet N-Ch 3 Lead", Package=SOT-523
Q13: "SYM-Generic PNP Transistor"
Q14 Q15: "SYM-Generic NPN Transistor"
Q16 Q17 Q18 Q19 Q27 Q28 Q29 Q30 Q33: library part MOSFET-P8, "SYM - Mosfet P-Ch 8 Lead"
Q20: library part MOSFET-N3, "SYM - Mosfet N-Ch 3 Lead", Package=SOT523
Q37 Q38 Q39 Q40: library part MOSFET-P8, "SYM - Mosfet P-Ch 8 Lead", Package=5X6
Q41 Q42: library part MOSFET-N3, "SYM - Mosfet N-Ch 3 Lead", Package=SOT-323
Q43: "MOSFET N-CH IR", Package=SOT23-3
Q44: library part MOSFET-N3, "SYM - Mosfet N-Ch 3 Lead", Package=SOT23-3
Q45 Q47 Q48: library part MOSFET-N8, "SYM - Mosfet N-Ch 8 Lead", Package=Power33
Q46: library part MOSFET-P3, "SYM - Mosfet P-Ch 3 Lead", Package=Power33
R1 R2 R3 R6 R9 R10 R39 R40 R41 R45 R48 R49 R111 R112 R149 R162: Package=2512
R4 R5 R7 R8 R11 R12 R13 R14 R15 R16 R17 R18 R19 R20 R21 R22 R23 R24 R25 R26 R27 R28 R29 R30 R31 R32 R33 R34 R35 R36 R37 R38 R42 R43 R44 R46 R47 R50 R51 R52 R53 R54 R55 R56 R57 R58 R59 R60 R61 R62 R63 R64 R65 R66 R67 R68 R69 R70 R71 R72 R73 R74 R75 R76 R77 R78 R79 R80 R81 R82 R83 R84 R85 R86 R87 R88 R89 R90 R91 R92 R93 R95 R96 R97 R98 R99 R100 R101 R102 R103 R104 R105 R106 R107 R108 R109 R110 R113 R114 R115 R116 R117 R118 R119 R120 R121 R122 R123 R124 R125 R126 R127 R128 R129 R130 R131 R132 R133 R134 R135 R136 R137 R138 R139 R140 R141 R142 R143 R144 R145 R146 R147 R148 R150 R151 R152 R153 R154 R155 R156 R157 R158 R159 R160 R161 R163 R164 R165 R166 R167 R168 R169 R170 R171 R174 R175 R176 R177 R178 R179 R180 R181 R182 R183 R184 R185 R186 R187 R188 R189 R190 R191 R192 R193 R194 R195 R196 R197 R198 R199 R200 R201 R202 R203 R204 R205 R206 R207 R208 R209 R210 R211 R212 R213 R214 R215 R216 R217 R218 R219 R220 R221 R222 R225 R226 R227 R228: Package=0603
R94: library part "RES SMD 2512", Package=2010
R172 R173: Package=2512, Part No.=WSLT2512R0100FEA
RN1: "CTS Resistor Network SMD 8 res"
SW1 SW2 SW3: library part "Switch Mom", "Momentary Push Switch"
TH1: "Thermistor", Case-EIA=0603, Name=NTC
TH2: "Thermistor", Case-Metric=0402
TMP1: "TI Temperature Sensor I2C", Package=SOT23-6
TP_1 TP_2 TP_3 TP_4 TP_5 TP_6 TP_BBIN1 TP_VBAT1 TP_VBAT2: library part TEST_POINT
TZ1: library part TRANZORB, Package=SMC, DeviceSetName=TRANZORB, GateName_1=G$1, LibraryName=DualBankCharger-05AD, SymbolName_1=TVS-2
U1 U3: "Linear Tech Buck/Boost", Package=QFN38
U2 U9 U16 U20 U23 U25 U34: "Op Amp Single R/R", Package="SOT 23-5"
U4: "DC/DC Buck"
U5 U6: "Syncronous Buck 42V max", Package=Pkg
U7: Package="DHD  DFN-10EP"
U8: "Temperature Sensor", PKG=SOT23-3
U10: library part DRV110, "TI DC Current Solenoid Driver", Parameter 1=MCP4651-104, Parameter 2=TSSOP-14
U11: library part "MTFC8GACAAAM - SPECIAL", "Micron 8GB Flash", Parameter 1=MCP4651-104, Parameter 2=TSSOP-14
U12 U13: "Digital IC Potemtiometer", Parameter 1=MCP4651-104, Parameter 2=TSSOP-14
U14 U17 U24 U26 U27 U33: Package=SOT23-5
U15: "Analog Devices -", Package=QSOP16
U18: "Diodes Inc 40V 10A Gate Driver", Package=SOT26
U19 U30: "Micrel Hi Side Driver", PKG=SOIC8
U21: "I2C Isolator", PKG=SSOP20
U22: "I2C SMBus Address Translator"
U28 U29: "Analog CMOS Op  Amp", Package=SC70
U31: "TI 4 Ch input Sigma Delta ADC", Package=TFSSOP-10
U32: "Microchip PIC", Package=SSOIC28
U35 U37: "Low Power Single 2-Input AND gate", Package=SOT-353
U36: "IC Mono Multibrator", Package=TSOT6
U38 U39: "Microchip Thermocouple EMF to Temperature Converter I2C", Package=MQFN20-EP
U40: library part MTFC8GACAAAM-SPECIAL, Note="(*)... signifies ball clusters"
U41: "STMicro uProcessor ARM Core 4", Package=QFN-64
U42: "USB TVS"
U44: "2k EEPROM I2C", Package=TSSOP8
U45: "15psi pressure guage", Note=Hand-Solder
U46: "Maxim 4ch 12bit I2C ADC", Package=uMAX8
U47: "Op Amp - Dual Low Power"
VR1: library part REFxxxx, Package=SOT23-3
VR2: "Microchip 150mA Adj LDO", Package="SOT 23-5", PN=MIC5205YM5-TR
XTAL1 XTAL2: "Generic Crystal Symbol"

## Free pads (board coordinates)
  round 250 hole 190: 1(4399.96,2550) 3(4399.96,1150) 4(4399.96,1500) 5(4399.96,2200) 6(4399.96,1850) 7(874.96,1825) 7(874.96,2200) 8(874.96,525) 8(875,150)
  round 55 hole 35: 9(6950,550) 10(6950,450)
  round 34 hole 20: 11(2400,1475) 12(2399.96,1425)
  round 210 hole 120 paste+0: 13(7700,4200) 14(3675,4200) 15(3675,3025) 16(125,2775) 17(125,125) 18(3950,125) 19(7700,125)
  round 150 hole 90 paste+0: 20(400,2775) 21(1899.96,2550) 22(3299.96,2550) 23(3675,3900) 24(7700,3900) 25(5475,2075) 26(7700,398.94) 27(5200,125) 28(3299.96,350) 29(1899.96,350) 30(400,125) 31(2599.96,1450)

## Via types
v1: diameter 29, hole 15, Top to Bottom, tented both sides, 469 vias
v2: diameter 29/29/29/29 (per signal layer), hole 15, Top to Bottom, tented both sides, 168 vias
v3: diameter 34/34/34/34 (per signal layer), hole 20, Top to Bottom, 14 vias
v4: diameter 60/52.5/52.5/60 (per signal layer), hole 35, Top to Bottom, 13 vias
v5: diameter 55, hole 35, Top to Bottom, 1 vias